# Altium PCB Slave_LHS.PcbDoc (part 2 of 3)
Units mm, origin at the board's own origin, x right, y up, seen from the top; angles counter-clockwise.
Board outline 65 x 162 mm, 4 copper layers (Top Layer, Int1 (GND), Int2 (PWR), Bottom Layer), stack 1.369 mm thick; 258 components, 190 nets, 698 pads, 180 vias.
Unrouted connection lines stored in the file: 7.
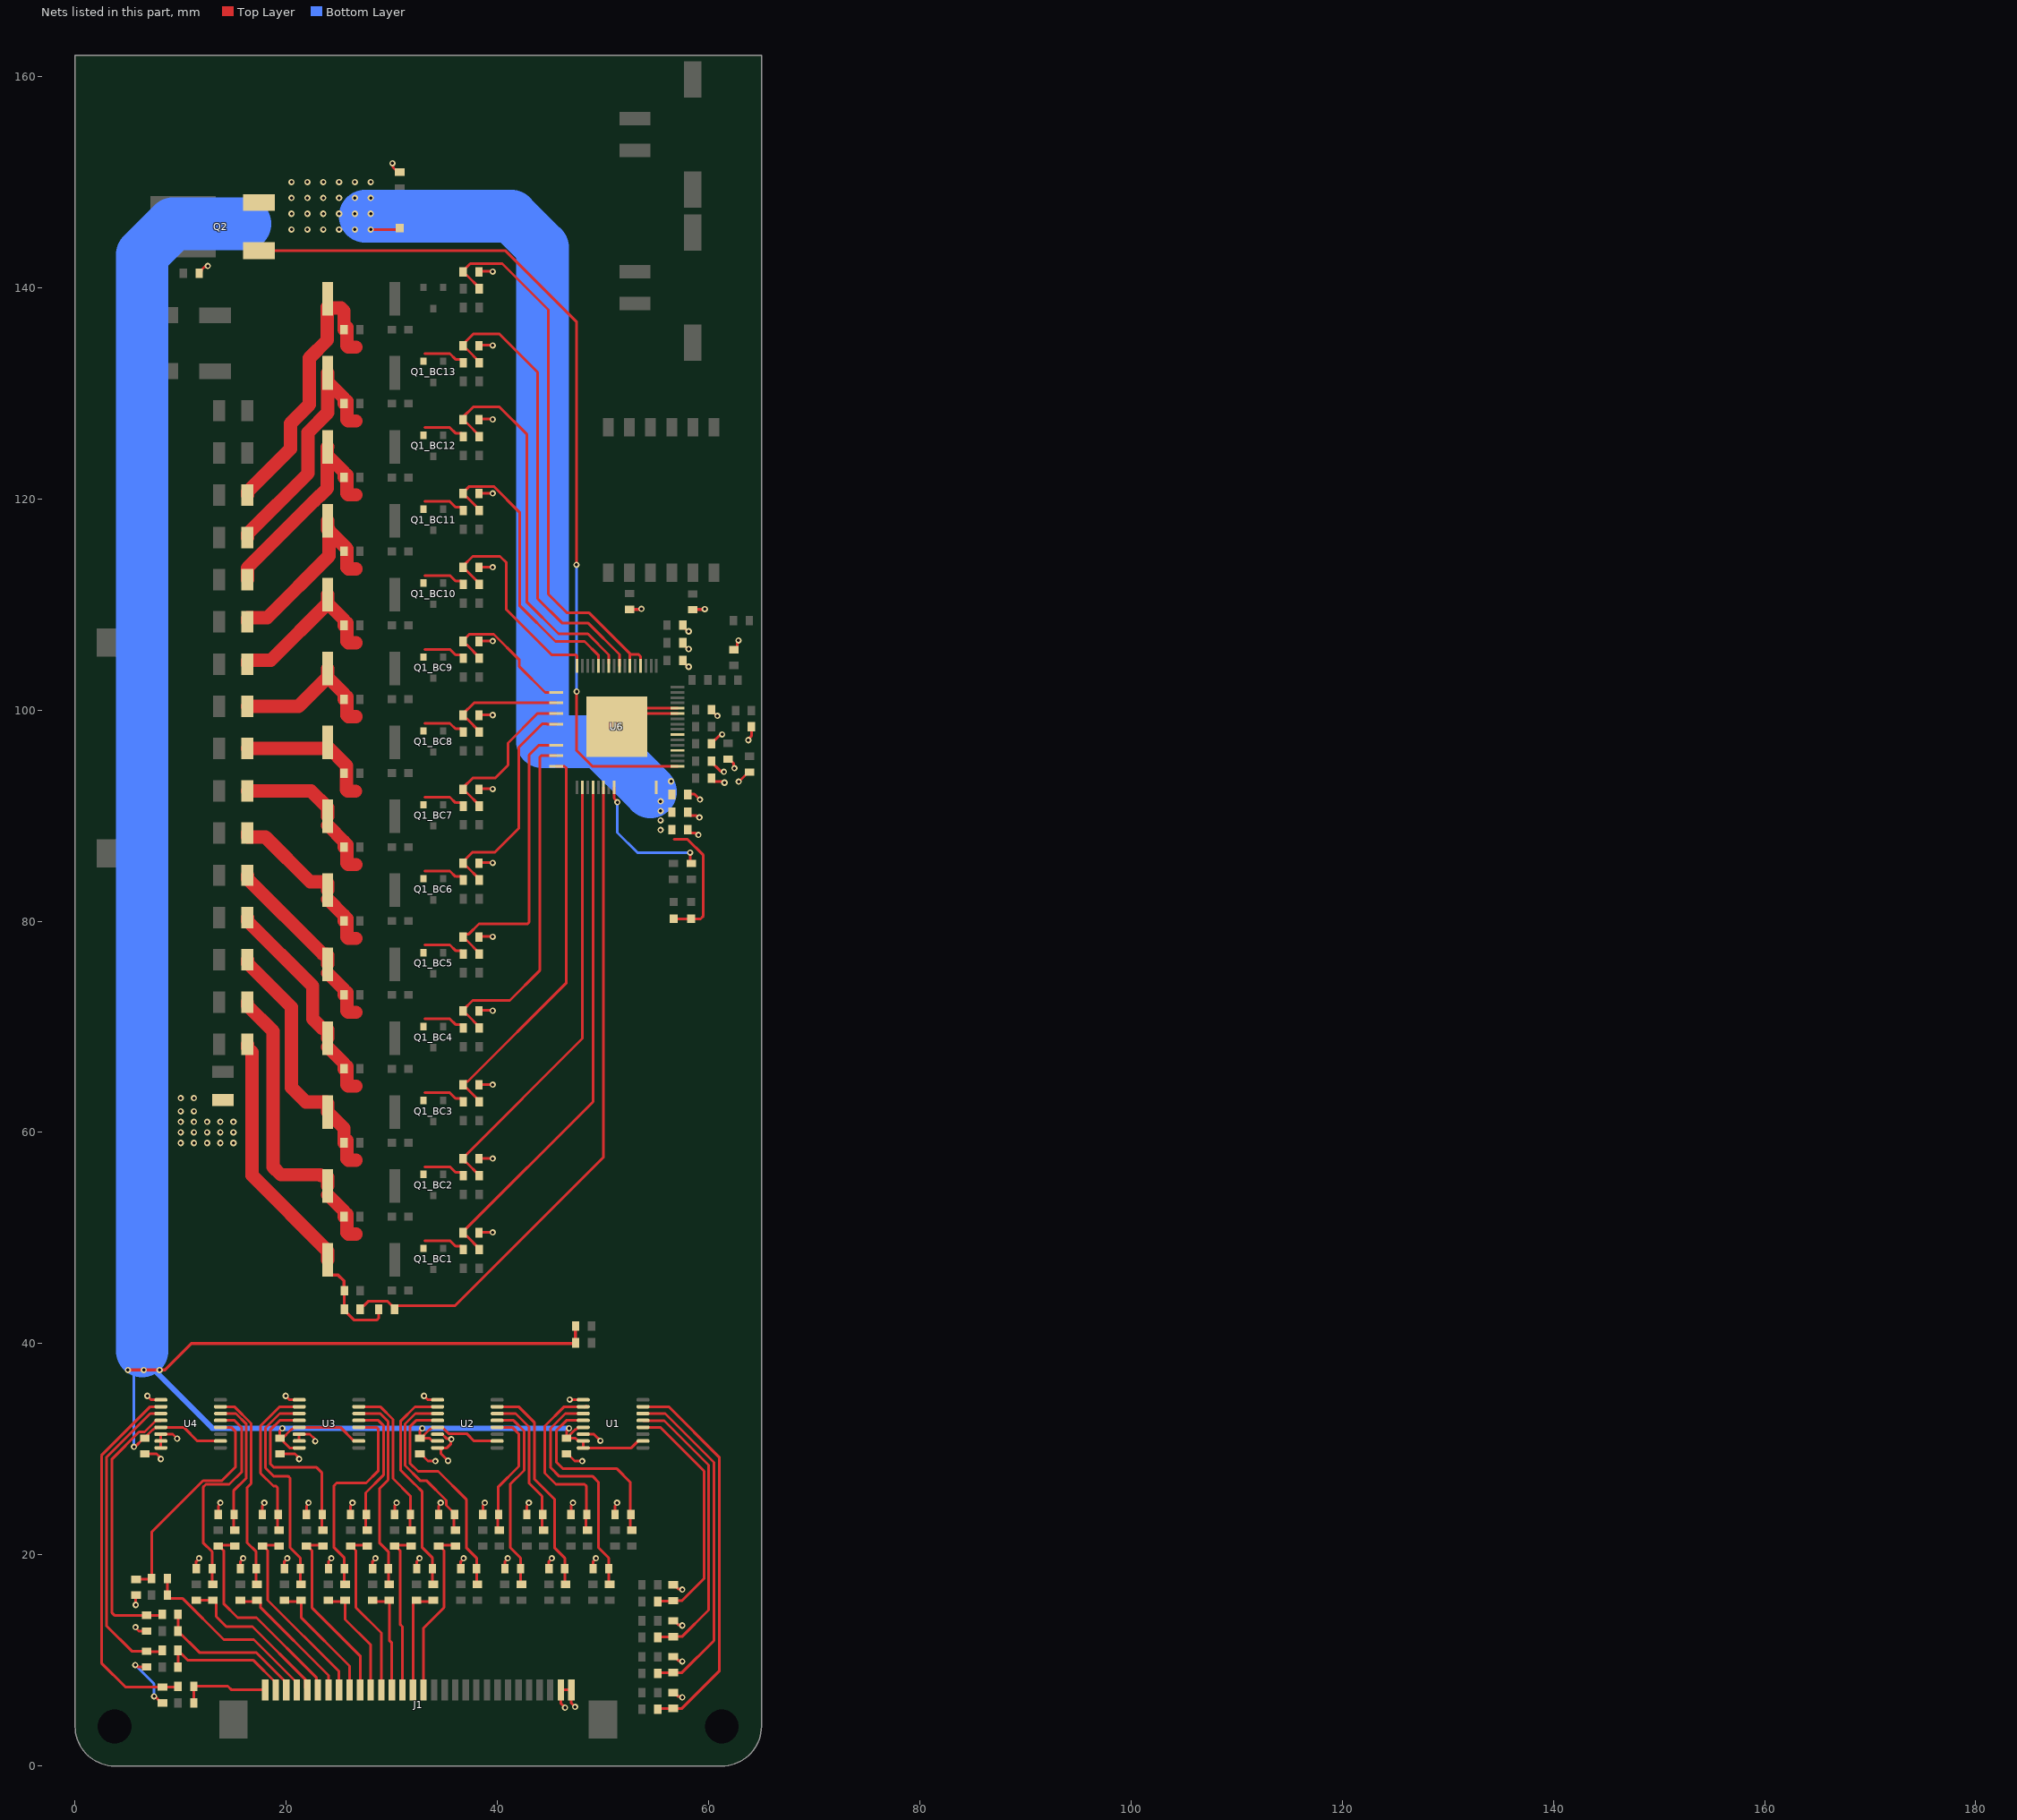
[diagram p2: the nets of this part, all layers, seen from the top]

## Part data
C1 C2 C3 C4 C5_BC1 C5_BC2 C5_BC3 C5_BC4 C5_BC5 C5_BC6 C5_BC7 C5_BC8 C5_BC9 C5_BC10 C5_BC11 C5_BC12 C5_BC13 C5_BC14 C6 C7 C8 C13 C14 C15 C17 C18 C19 C20 C21 C22_AFE1 C22_AFE2 C22_AFE3 C22_AFE4 C22_AFE5 C22_AFE6 C22_AFE7 C22_AFE8 C22_AFE9 C22_AFE10 C22_AFE11 C22_AFE12 C22_AFE13 C22_AFE14 C22_AFE15 C22_AFE16 C22_AFE17 C22_AFE18 C22_AFE19 C22_AFE20 C22_AFE21 C22_AFE22 C22_AFE23 C22_AFE24 C22_AFE25 C22_AFE26 C22_AFE27 C22_AFE28: library part Capacitor, "Capacitor", ComponentLink1Description="New link"
C9 C10 C11 C12: library part Capacitor, "Bypass caps", ComponentLink1Description="New link"
C16: library part Capacitor, "Capacitor", Voltage=100V, ComponentLink1Description="New link"
D1_BC1 D1_BC2 D1_BC3 D1_BC4 D1_BC5 D1_BC6 D1_BC7 D1_BC8 D1_BC9 D1_BC10 D1_BC11 D1_BC12 D1_BC13 D1_BC14 D3: "LED BLUE DIFFUSED 0603 SMD", Case/Package=0603, Color=Blue, Forward Voltage=3.2V, Manufacturer="Wurth Electronics", Supplier Part Number 1=710-150060BS55040, Test Current=20mA, ComponentLink1Description=http://www.farnell.com/datasheets/2621640.pdf?src-supplier=Farnell, ComponentLink1URL=http://www.farnell.com/datasheets/2621640.pdf?src-supplier=Farnell, ComponentLink2Description=https://www.we-online.de/web/en/index.php/download/media/07_electronic_components/download_center_1/application_notes_berichte/ano002_leds___the_future_of_horticultural_lighting/ANO002b_EN_LEDs_The_Future_of_Horticultural_Lighting.pdf?src-supplier=Digi-Key, ComponentLink2URL=https://www.we-online.de/web/en/index.php/download/media/07_electronic_components/download_center_1/application_notes_berichte/ano002_leds___the_future_of_horticultural_lighting/ANO002b_EN_LEDs_The_Future_of_Horticultural_Lighting.pdf?src-supplier=Digi-Key, ComponentLink3Description=https://katalog.we-online.de/pbs/datasheet/150060BS55040.pdf?src-supplier=Digi-Key, ComponentLink3URL=https://katalog.we-online.de/pbs/datasheet/150060BS55040.pdf?src-supplier=Digi-Key, ComponentLink4Description=http://www.farnell.com/datasheets/2621640.pdf?src-supplier=Newark, ComponentLink4URL=http://www.farnell.com/datasheets/2621640.pdf?src-supplier=Newark, Dominant Wavelength=470nm, Height=0.5mm, Length=1.6mm, Lens Size=0.8mm, Lens Style=Flat, Lens Transparency=Diffused, Luminous Intensity=80mcd, Manufacturer Part Number=150060BS55040, Mount="Surface Mount", Packaging="Tape and Reel", Pricing 1="1=0.18000, 10=0.16800, 50=0.16800, 100=0.15200, 1000=0.12100, 10000=0.10600 (USD)", RoHS=No, RoHS Compliant=No, Supplier 1=Mouser, Viewing Angle=140°, Width=0.8mm
D2: "LED RED DIFFUSED 0603 SMD", Case Code (Imperial)=0603, Case Code (Metric)=1608, Color=Red, Forward Voltage=2V, Manufacturer="Wurth Electronics", Supplier Part Number 1=710-150060SS55040, Test Current=20mA, Case/Package=0603, Category=LEDs, Dominant Wavelength=630nm, Height=0.5mm, Length=1.6mm, Lens Size=0.8mm, Lens Style=Flat, Lens Transparency=Diffused, Luminous Intensity=70mcd, Manufacturer Part Number=150060SS55040, Mount="Surface Mount", Packaging="Tape and Reel", Pricing 1="1=0.18000, 10=0.16800, 50=0.16800, 100=0.15200, 1000=0.12100, 10000=0.10600 (USD)", RoHS=No, RoHS Compliant=No, Stock 1=17006, Supplier 1=Mouser, Viewing Angle=140°, Width=0.8mm
D4: "LED GREEN DIFFUSED 0603 SMD", Case Code (Imperial)=0603, Case Code (Metric)=1608, Color=Green, Forward Voltage=3.2V, Manufacturer="Wurth Electronics", Supplier Part Number 1=710-150060GS55040, Test Current=20mA, Case/Package=0603, Category=LEDs, ComponentLink1Description=http://www.farnell.com/datasheets/2621642.pdf?src-supplier=Farnell, ComponentLink1URL=http://www.farnell.com/datasheets/2621642.pdf?src-supplier=Farnell, ComponentLink2Description=http://katalog.we-online.de/pbs/datasheet/150060GS55040.pdf?src-supplier=Digi-Key, ComponentLink2URL=http://katalog.we-online.de/pbs/datasheet/150060GS55040.pdf?src-supplier=Digi-Key, ComponentLink3Description=https://www.we-online.de/web/en/index.php/download/media/07_electronic_components/download_center_1/application_notes_berichte/ano002_leds___the_future_of_horticultural_lighting/ANO002b_EN_LEDs_The_Future_of_Horticultural_Lighting.pdf?src-supplier=Digi-Key, ComponentLink3URL=https://www.we-online.de/web/en/index.php/download/media/07_electronic_components/download_center_1/application_notes_berichte/ano002_leds___the_future_of_horticultural_lighting/ANO002b_EN_LEDs_The_Future_of_Horticultural_Lighting.pdf?src-supplier=Digi-Key, ComponentLink4Description=https://katalog.we-online.de/pbs/datasheet/150060GS55040.pdf?src-supplier=Digi-Key, ComponentLink4URL=https://katalog.we-online.de/pbs/datasheet/150060GS55040.pdf?src-supplier=Digi-Key, ComponentLink5Description=http://www.farnell.com/datasheets/2621642.pdf?src-supplier=Newark, ComponentLink5URL=http://www.farnell.com/datasheets/2621642.pdf?src-supplier=Newark, Dominant Wavelength=525nm, Height=0.5mm, Length=1.6mm, Lens Size=0.8mm, Lens Style=Flat, Lens Transparency=Diffused, Luminous Intensity=430mcd, Manufacturer Part Number=150060GS55040, Mount="Surface Mount", Packaging="Cut Tape", Pricing 1="1=0.23000, 10=0.21000, 50=0.21000, 100=0.19000, 1000=0.15200, 10000=0.13200 (USD)", RoHS=No, RoHS Compliant=No, Stock 1=3998, Supplier 1=Mouser, Viewing Angle=140°, Width=0.8mm
F1_BC1 F1_BC2 F1_BC3 F1_BC4 F1_BC5 F1_BC6 F1_BC7 F1_BC8 F1_BC9 F1_BC10 F1_BC11 F1_BC12 F1_BC13 F1_BC14 F2 F3 F4: library part "Fuse 2", "LITTELFUSE - 0466.500NR - Fuse, Surface Mount, 500 mA, 466 Series, 63 VAC, 63 VDC, Very Fast Acting, 1206", Case Code (Imperial)=1206, Case Code (Metric)=3216, Current Rating=500mA, DC Cold Resistance=248mR, Manufacturer=Littelfuse, Max Operating Temperature=90°C, Min Operating Temperature=-55°C, Package Quantity=5000, Resistance=350mR, Supplier Part Number 1=576-0466.500NR, Voltage Rating=63V, Approvals=UL,CSA, Body Material=Thermoplastic, Case/Package=1206, Category=Fuses, ComponentLink1Description=https://datasheet.ciiva.com/17081/0466-500nr-17081083.pdf?src-supplier=Allied+Electronics, ComponentLink1URL=https://datasheet.ciiva.com/17081/0466-500nr-17081083.pdf?src-supplier=Allied+Electronics, ComponentLink2Description=https://datasheet.ciiva.com/16327/littelfuse-fuse-466-16327478.pdf?src-supplier=Future+Electronics, ComponentLink2URL=https://datasheet.ciiva.com/16327/littelfuse-fuse-466-16327478.pdf?src-supplier=Future+Electronics, ComponentLink3Description=https://datasheet.ciiva.com/299/466seriesdrawing-299207.pdf?src-supplier=Digi-Key, ComponentLink3URL=https://datasheet.ciiva.com/299/466seriesdrawing-299207.pdf?src-supplier=Digi-Key, ComponentLink4Description=https://datasheet.ciiva.com/299/466seriesdrawing-299208.pdf?src-supplier=Digi-Key, ComponentLink4URL=https://datasheet.ciiva.com/299/466seriesdrawing-299208.pdf?src-supplier=Digi-Key, ComponentLink5Description=https://datasheet.ciiva.com/299/466seriesdrawing-299209.pdf?src-supplier=Digi-Key, ComponentLink5URL=https://datasheet.ciiva.com/299/466seriesdrawing-299209.pdf?src-supplier=Digi-Key, ComponentLink6Description=https://datasheet.ciiva.com/14102/ei466-dat-e-14102891.pdf?src-supplier=Distrelec, ComponentLink6URL=https://datasheet.ciiva.com/14102/ei466-dat-e-14102891.pdf?src-supplier=Distrelec, ComponentLink7Description=https://datasheet.ciiva.com/15186/getdatasheetpartid-57351-15186924.pdf?src-supplier=Verical, ComponentLink7URL=https://datasheet.ciiva.com/15186/getdatasheetpartid-57351-15186924.pdf?src-supplier=Verical, Depth=1.52mm, Fuse Current=500mA, Fuse Type="Board Mount (Cartridge Style Excluded)", Height=0.023inch, Housing Material=Ceramic, LatestRevisionDate=17-Jul-2002, LatestRevisionNote="Re-released for DXP Platform.", Lead Free="Lead Free", Length=3.18mm, Manufacturer Part Number=0466.500NR, Mount="Surface Mount", Number of Pins=2, PackageDescription="Thru-Hole; 2 Leads", PackageReference=PIN-W2/E2.8, Packaging="Tape and Reel", Pricing 1="1=0.77000, 10=0.59200, 50=0.59200, 100=0.48900, 1000=0.41600, 10000=0.39000 (USD)", Published=8-Jun-2000, Publisher="Altium Limited", Radiation Hardening=No, REACH SVHC=Unknown, RoHS=Yes, RoHS Compliant=Yes, Series=466, Stock 1=36497, Supplier 1=Mouser, Terminal Material=Copper, Termination=SMD/SMT, Voltage Rating (AC)=63V, Voltage Rating (DC)=63V, Width=0.06inch, Working Voltage=63V
J1: "CONN FPC TOP 30POS 1.00MM R/A", Actuator Color=Black, Color=Natural, Contact Current Rating=1A, Contact Resistance=10mR, Flammability Rating="UL94 V-0", Manufacturer="TE Connectivity", Max Operating Temperature=85°C, Max Voltage Rating (AC)=200V, Min Operating Temperature=-40°C, Package Quantity=1200, Supplier Part Number 1=571-3-84953-0, Actuator Material=Nylon,Glass,Polyamide, Body Plating=Tin, Category="FFC / FPC", ComponentLink1Description=https://datasheet.ciiva.com/11745/0900766b806d28d6-11745122.pdf?src-supplier=RSComponents, ComponentLink1URL=https://datasheet.ciiva.com/11745/0900766b806d28d6-11745122.pdf?src-supplier=RSComponents, ComponentLink2Description=https://datasheet.ciiva.com/1437/eng-cd-84953-a3-1437863.pdf?src-supplier=Element14, ComponentLink2URL=https://datasheet.ciiva.com/1437/eng-cd-84953-a3-1437863.pdf?src-supplier=Element14, ComponentLink3Description=https://datasheet.ciiva.com/1437/eng-cd-84953-a3-1437862.pdf?src-supplier=Element14, ComponentLink3URL=https://datasheet.ciiva.com/1437/eng-cd-84953-a3-1437862.pdf?src-supplier=Element14, ComponentLink4Description=https://datasheet.ciiva.com/5750/586796-5750949.pdf?src-supplier=Farnell, ComponentLink4URL=https://datasheet.ciiva.com/5750/586796-5750949.pdf?src-supplier=Farnell, ComponentLink5Description=https://datasheet.ciiva.com/10034/eng-ds-1-1773440-6-0506-10034394.pdf?src-supplier=Avnet, ComponentLink5URL=https://datasheet.ciiva.com/10034/eng-ds-1-1773440-6-0506-10034394.pdf?src-supplier=Avnet, ComponentLink6Description=https://datasheet.ciiva.com/30052/eng-ds-1-1773440-6-0506-30052600.pdf?src-supplier=Onlinecomponents.com, ComponentLink6URL=https://datasheet.ciiva.com/30052/eng-ds-1-1773440-6-0506-30052600.pdf?src-supplier=Onlinecomponents.com, ComponentLink7Description=https://datasheet.ciiva.com/669/eng-cd-84953-a3-669167.pdf?src-supplier=Digi-Key, ComponentLink7URL=https://datasheet.ciiva.com/669/eng-cd-84953-a3-669167.pdf?src-supplier=Digi-Key, ComponentLink8Description=https://datasheet.ciiva.com/669/eng-cd-84953-a3-669168.pdf?src-supplier=Digi-Key, ComponentLink8URL=https://datasheet.ciiva.com/669/eng-cd-84953-a3-669168.pdf?src-supplier=Digi-Key, ComponentLink9Description=https://datasheet.ciiva.com/669/eng-cd-84953-a3-669166.pdf?src-supplier=Digi-Key, ComponentLink9URL=https://datasheet.ciiva.com/669/eng-cd-84953-a3-669166.pdf?src-supplier=Digi-Key, Connector System=Flex-to-Board, Connector Type=Receptacle,Connector,Socket, Contact Location=Top, Contact Material=Bronze, Contact Plating=Tin,Bright, Current Rating=1A, Depth=7.3mm, ELV=Compliant, Gender=Female, Height=2.56mm, Housing Color=Natural, Housing Material=Polymer, Insulation=Non-Insulated, Lead Pitch=1mm, Length=37.92mm, Manufacturer Part Number=3-84953-0, Material=Thermoplastic, Mating Alignment="Yes (With)", Mount="Surface Mount,Through Hole", Number of Contacts=30, Number of Positions=30, Number of Rows=1, Orientation="Right Angle", Packaging="Tape and Reel", PCB Mount Alignment="No (Without)", PCB Mount Retention=With, PCB Mounting Orientation="Right Angle", Pin Diameter=0.2mm, Pitch=0.039inch, Plating Thickness=2um, Pricing 1="1=1.65000, 10=1.41000, 50=1.41000, 100=1.22000, 500=1.07000, 1000=1.07000, 1200=0.91500, 2400=0.87100, 10000=0.87100 (USD)", Radiation Hardening=No, REACH SVHC="No SVHC", RoHS=Yes, Sealable="No (Without)", Series=-, Shielding=Unshielded, Shrouded="Yes (With)", Stock 1=14380, Supplier 1=Mouser, Termination=SMD/SMT, Voltage Rating=200V, Width=0.2575inch, Wire/Cable Type="Flat Flex"
J2: "Conn FPC Connector SKT 15 POS 1mm Solder RA SMD T/R", Contact Current Rating=1A, Housing Color=Natural, Manufacturer="TE Connectivity", Max Operating Temperature=85°C, Max Voltage Rating (AC)=200V, Min Operating Temperature=-40°C, Package Quantity=1200, Supplier Part Number 1=571-1-84953-5, Category="FFC / FPC", ComponentLink1Description=https://datasheet.ciiva.com/669/eng-cd-84953-a3-669110.pdf?src-supplier=Digi-Key, ComponentLink1URL=https://datasheet.ciiva.com/669/eng-cd-84953-a3-669110.pdf?src-supplier=Digi-Key, ComponentLink2Description=https://datasheet.ciiva.com/669/eng-cd-84953-a3-669111.pdf?src-supplier=Digi-Key, ComponentLink2URL=https://datasheet.ciiva.com/669/eng-cd-84953-a3-669111.pdf?src-supplier=Digi-Key, ComponentLink3Description=https://datasheet.ciiva.com/16660/eng-ds-1-1773440-6-0506-16660135.pdf?src-supplier=Avnet+Europe, ComponentLink3URL=https://datasheet.ciiva.com/16660/eng-ds-1-1773440-6-0506-16660135.pdf?src-supplier=Avnet+Europe, ComponentLink4Description=https://datasheet.ciiva.com/669/eng-cd-84953-a3-669112.pdf?src-supplier=Digi-Key, ComponentLink4URL=https://datasheet.ciiva.com/669/eng-cd-84953-a3-669112.pdf?src-supplier=Digi-Key, Connector System=Flex-to-Board, Connector Type=Receptacle,Connector,Socket, Contact Location=Top, Contact Material=Bronze, Contact Plating=Tin,Bright, Current Rating=1A, Depth=7.3mm, ELV=Compliant, Gender=Receptacle, Height=2.56mm, Housing Material=Polymer, Length=22.92mm, Manufacturer Part Number=1-84953-5, Mating Alignment="Yes (With)", Mount="Surface Mount", Number of Contacts=15, Number of Positions=15, Number of Rows=1, Orientation="Right Angle", Packaging="Tape and Reel", PCB Mount Alignment="No (Without)", PCB Mount Retention=With, PCB Mounting Orientation="Right Angle", Pitch=0.039inch, Plating Thickness=2um, Pricing 1="1=1.07000, 10=0.87800, 50=0.87800, 100=0.76700, 500=0.65900, 1000=0.65900, 1200=0.58600, 2400=0.53000, 4800=0.51200, 9600=0.48600, 10000=0.48600, 24000=0.47500 (USD)", Radiation Hardening=No, RoHS=Yes, Sealable="No (Without)", Shielding=Unshielded, Shrouded="Yes (With)", Stock 1=7302, Supplier 1=Mouser, Termination=SMD/SMT, Voltage Rating=200V, Width=0.2575inch, Wire/Cable Type="Flat Flex"
J4: "CONN HEADER 3MM 2POS R/A TIN SMD--", Package=None, Availability=Unavailable, MF="{'manufacturer': u'TE Connectivity'}", MP=2-1445057-2, Price=None
J5: "CONN HEADER 3MM 2POS R/A TIN SMD", Package=None, Availability=Unavailable, MF="{'manufacturer': u'TE Connectivity'}", MP=2-1445057-2, Price=None
Q1_BC1 Q1_BC2 Q1_BC3 Q1_BC4 Q1_BC5 Q1_BC6 Q1_BC7 Q1_BC8 Q1_BC9 Q1_BC10 Q1_BC11 Q1_BC12 Q1_BC13 Q1_BC14: library part CMP-14409-000018-1, "MOSFET P-CH 20V 2A TO-236AB"
Q2: "ON SEMICONDUCTOR   MJD340G   Bipolar (BJT) Single Transistor, General Purpose, NPN, 300 V, 15 W, 500 mA, 240", Case/Package=DPAK, Collector Base Voltage (VCBO)=300V, Collector Emitter Saturation Voltage=1V, Current Rating=500mA, Emitter Base Voltage (VEBO)=3V, Manufacturer="ON Semiconductor", Max Frequency=10MHz, Max Operating Temperature=150°C, Max Power Dissipation=15W, Min Operating Temperature=-65°C, Package Quantity=75, Power Dissipation=1.56W, Supplier Part Number 1=7905343, Category=BJTs, Collector Emitter Breakdown Voltage=300V, Collector Emitter Voltage (VCEO)=300V, Collector-emitter Voltage-Max=300V, ComponentLink1Description=https://datasheet.ciiva.com/4721/mjd340-d-112116-4721347.pdf?src-supplier=Mouser, ComponentLink1URL=https://datasheet.ciiva.com/4721/mjd340-d-112116-4721347.pdf?src-supplier=Mouser, ComponentLink2Description=https://datasheet.ciiva.com/15138/getdatasheetpartid-41077-15138708.pdf?src-supplier=Verical, ComponentLink2URL=https://datasheet.ciiva.com/15138/getdatasheetpartid-41077-15138708.pdf?src-supplier=Verical, ComponentLink3Description=https://datasheet.ciiva.com/18429/70100598-18429461.pdf?src-supplier=Allied+Electronics, ComponentLink3URL=https://datasheet.ciiva.com/18429/70100598-18429461.pdf?src-supplier=Allied+Electronics, ComponentLink4Description=https://datasheet.ciiva.com/977/mjd340-d-977159.pdf?src-supplier=Digi-Key, ComponentLink4URL=https://datasheet.ciiva.com/977/mjd340-d-977159.pdf?src-supplier=Digi-Key, ComponentLink5Description=https://datasheet.ciiva.com/11201/mjd340-d-11201899.pdf?src-supplier=Avnet, ComponentLink5URL=https://datasheet.ciiva.com/11201/mjd340-d-11201899.pdf?src-supplier=Avnet, ComponentLink6Description=https://datasheet.ciiva.com/7972/mjd340-d-7972285.pdf?src-supplier=Element14, ComponentLink6URL=https://datasheet.ciiva.com/7972/mjd340-d-7972285.pdf?src-supplier=Element14, ComponentLink7Description=https://datasheet.ciiva.com/16462/mjd340-d-16462206.pdf?src-supplier=Future+Electronics, ComponentLink7URL=https://datasheet.ciiva.com/16462/mjd340-d-16462206.pdf?src-supplier=Future+Electronics, Contact Plating=Tin,Matte, Element Configuration=Single, Height=0.094inch, hFE Min=30, Lead Free="Lead Free", Length=0.264inch, Manufacturer Part Number=MJD340G, Max Collector Current=500mA, Number of Elements=1, Number of Pins=3, Packaging=Rail/Tube, Polarity=NPN, Pricing 1="15=0.60500 (USD)", Radiation Hardening=No, REACH SVHC="No SVHC", RoHS=Yes, RoHS Compliant=Yes, Series=-, Stock 1=1, Supplier 1=RSComponents, Transition Frequency=10MHz, Voltage Rating (DC)=300V, Width=0.245inch
R5_BC1 R5_BC2 R5_BC3 R5_BC4 R5_BC5 R5_BC6 R5_BC7 R5_BC8 R5_BC9 R5_BC10 R5_BC11 R5_BC12 R5_BC13 R5_BC14: library part Resistor, "Balance Resistor", Supplier Part Number 1=71-CRCW251221R0FKEGH, Supplier 1=Mouser
R6_BC1 R6_BC2 R6_BC3 R6_BC4 R6_BC5 R6_BC6 R6_BC7 R6_BC8 R6_BC9 R6_BC10 R6_BC11 R6_BC12 R6_BC13 R6_BC14: library part Resistor, "Resistor", Supplier Part Number 1=603-RT0603DRE07583RL, Supplier 1=Mouser
R7: "RB2"
R8 R9 R10: library part Resistor, "Resistor"
R21_AFE1 R21_AFE2 R21_AFE3 R21_AFE4 R21_AFE5 R21_AFE6 R21_AFE7 R21_AFE8 R21_AFE9 R21_AFE10 R21_AFE11 R21_AFE12 R21_AFE13 R21_AFE14 R21_AFE15 R21_AFE16 R21_AFE17 R21_AFE18 R21_AFE19 R21_AFE20 R21_AFE21 R21_AFE22 R21_AFE23 R21_AFE24 R21_AFE25 R21_AFE26 R21_AFE27 R21_AFE28: library part Resistor, "Res Thin Film 0603 10K Ohm 0.1% 0.1W(1/10W) ±25ppm/C Pad SMD T/R", Case Code (Imperial)=0603, Case Code (Metric)=1608, Manufacturer=Bourns, Max Operating Temperature=155°C, Max Power Dissipation=100mW, Min Operating Temperature=-55°C, Resistance=10kR, Resistor Type="Thin Film", Supplier Part Number 1=652-CRT0603BY1002EST, Temperature Coefficient=25ppm/°C, Tolerance=0.1%, Case/Package=0603, Category="Chip SMD Resistors", ComponentLink1Description=https://www.bourns.com/docs/Product-Datasheets/CRT-ST.pdf?src-supplier=Digi-Key, ComponentLink1URL=https://www.bourns.com/docs/Product-Datasheets/CRT-ST.pdf?src-supplier=Digi-Key, Manufacturer Part Number=CRT0603-BY-1002EST, Number of Terminations=2, Packaging="Tape and Reel", Pricing 1="1=0.33000, 10=0.15400, 50=0.15400, 100=0.08500, 1000=0.04700, 10000=0.03600 (USD)", RoHS=Yes, Stock 1=2315, Supplier 1=Mouser
T1: "BMS XFORMER 2-CH 1600V AECQ +125", Inductance=150uH, Manufacturer=Bourns, Max Operating Temperature=125°C, Min Operating Temperature=-40°C, Supplier Part Number 1=652-SM91501ALE, ComponentLink1Description=https://www.bourns.com/docs/product-datasheets/sm91501al.pdf?src-supplier=Digi-Key, ComponentLink1URL=https://www.bourns.com/docs/product-datasheets/sm91501al.pdf?src-supplier=Digi-Key, Manufacturer Part Number=SM91501ALE, Mount="Surface Mount", Packaging="Cut Tape", Pricing 1="1=5.20000, 10=4.21000, 50=3.14000, 100=3.05000, 1000=2.78000, 10000=2.78000 (USD)", RoHS=No, Stock 1=566, Supplier 1=Mouser, Turns Ratio=1:1
U1 U2 U3 U4: "Analog Multiplexer Single 8:1 16-Pin TSSOP Tube", Case/Package=TSSOP, Drain to Source Resistance=2.5R, High Level Output Current=120mA, Manufacturer="Analog Devices", Manufacturer Part Number=ADG728BRUZ, Max Operating Temperature=85°C, Max Power Dissipation=100uW, Max Supply Current=20uA, Max Supply Voltage=5.5V, Min Operating Temperature=-40°C, Min Supply Voltage=2.7V, On-State Resistance=4.5R, Operating Supply Current=10uA, Package Quantity=96, Supplier Part Number 1=584-ADG728BRUZ, -3db Bandwidth=65MHz, Bandwidth=65MHz, Category="Decoders and Multiplexers", ComponentLink1Description=https://datasheet.ciiva.com/1171/1610644-1171108.pdf?src-supplier=Element14, ComponentLink1URL=https://datasheet.ciiva.com/1171/1610644-1171108.pdf?src-supplier=Element14, ComponentLink2Description=https://datasheet.ciiva.com/5797/adg728-729-5797207.pdf?src-supplier=Farnell, ComponentLink2URL=https://datasheet.ciiva.com/5797/adg728-729-5797207.pdf?src-supplier=Farnell, ComponentLink3Description=https://datasheet.ciiva.com/1668/adg728-729-1668904.pdf?src-supplier=Digi-Key, ComponentLink3URL=https://datasheet.ciiva.com/1668/adg728-729-1668904.pdf?src-supplier=Digi-Key, ComponentLink4Description=https://datasheet.ciiva.com/2978/adg728-729-2978667.pdf?src-supplier=Avnet, ComponentLink4URL=https://datasheet.ciiva.com/2978/adg728-729-2978667.pdf?src-supplier=Avnet, ComponentLink5Description=https://datasheet.ciiva.com/7986/adg728-729-7986413.pdf?src-supplier=Element14, ComponentLink5URL=https://datasheet.ciiva.com/7986/adg728-729-7986413.pdf?src-supplier=Element14, ComponentLink6Description=https://datasheet.ciiva.com/48708/001248036-da-01-en-ic-mux-demux-8x1-adg728bruz-tssop-16-adi-48708636.pdf?src-supplier=Conrad, ComponentLink6URL=https://datasheet.ciiva.com/48708/001248036-da-01-en-ic-mux-demux-8x1-adg728bruz-tssop-16-adi-48708636.pdf?src-supplier=Conrad, Contact Plating=Tin,Matte, Height=1.05mm, Interface=Serial,2-Wire, Lead Free="Contains Lead", Length=5mm, Nominal Supply Current=20uA, Number of Bits=8, Number of Channels=1, Number of Circuits=1, Number of Inputs=8, Number of Outputs=1, Number of Pins=16, Packaging=Rail/Tube, Pricing 1="1=6.74000, 10=6.06000, 50=5.73000, 100=4.96000, 1000=3.59000, 10000=3.59000 (USD)", Radiation Hardening=No, REACH SVHC="No SVHC", RoHS=Yes, RoHS Compliant=Yes, Series=-, Stock 1=392, Supplier 1=Mouser, Supply Current=20uA, Throw Configuration=DPST, Turn-Off Delay Time=85ns, Turn-On Delay Time=95ns, Width=4.4mm